# Altium PCB SAM_E54_Xplained_Pro.PcbDoc (part 4 of 5)
Units mm, origin at the board's own origin, x right, y up, seen from the top; angles counter-clockwise.
Board outline 80 x 100 mm, 4 copper layers (Top Layer LF-signals, GND, POWER, Bottom Layer LF-signals), stack 1.598 mm thick; 301 components, 262 nets, 1303 pads, 552 vias.
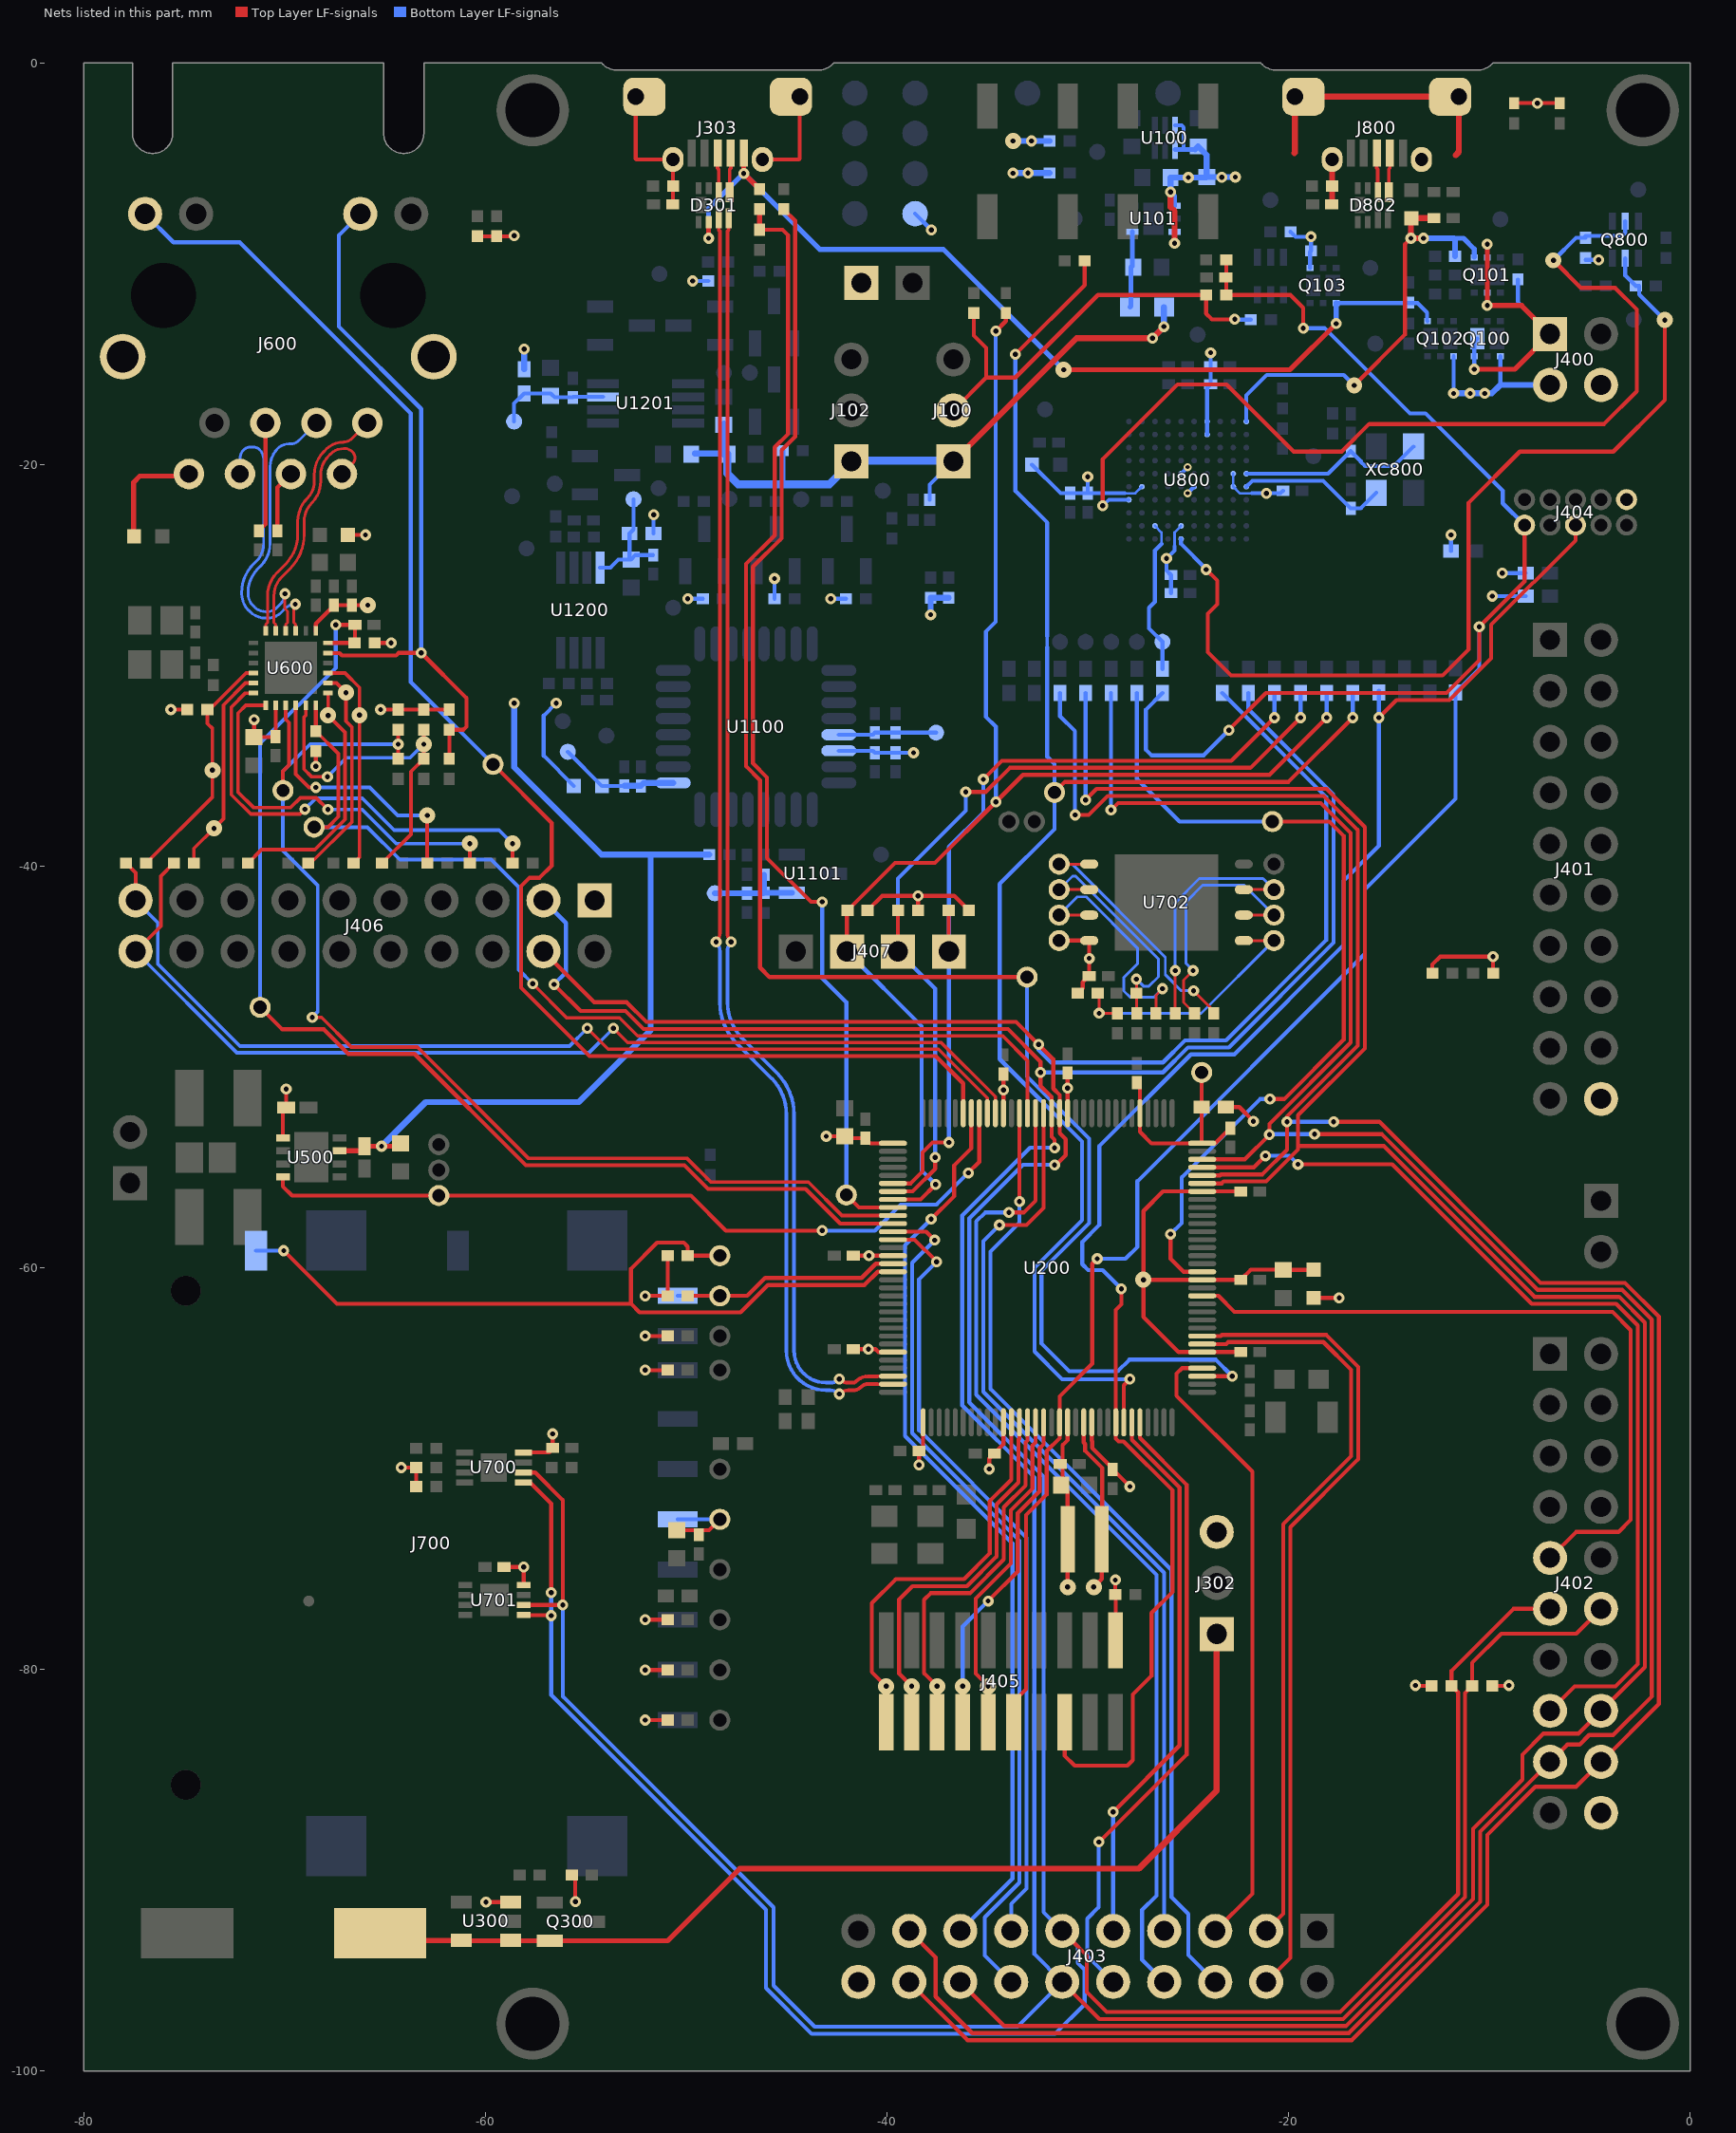
[diagram p6: the nets of this part, all layers, seen from the top]

## Via types
v1: diameter 0.55, hole 0.25, Top Layer LF-signals to Bottom Layer LF-signals, 333 vias
v2: diameter 0.55, hole 0.25, Top Layer LF-signals to Bottom Layer LF-signals, tented both sides, 116 vias
v3: diameter 0.55/0.8 (per signal layer), hole 0.25, Top Layer LF-signals to Bottom Layer LF-signals, tented top, 65 vias
v4: diameter 0.55, hole 0.25, Top Layer LF-signals to Bottom Layer LF-signals, tented top, 13 vias
v5: diameter 0.4, hole 0.2, Top Layer LF-signals to Bottom Layer LF-signals, tented top, 10 vias
v6: diameter 0.4, hole 0.2, Top Layer LF-signals to Bottom Layer LF-signals, tented both sides, 8 vias
v7: diameter 0.7, hole 0.35, Top Layer LF-signals to Bottom Layer LF-signals, 4 vias
v8: diameter 0.4, hole 0.2, Top Layer LF-signals to Bottom Layer LF-signals, 3 vias

## Nets (pads, with @x,y where several pads share a name; then routed paths per layer and width w, separated by ;. In a path a pad name is that pad's centre, name@x,y a point inside that pad or via, vN(x,y) a via of type N, cw(c..) or ccw(c..) an arc to the next point about the centre after c; other vN are vias at no path point) (continued)
PB30_SWO: J404.6 J405.6 R827.1 U200.121 | length 84.7
  Top Layer LF-signals w0.2: J405.6@-31.15,-82.635 -31.15,-84.3 -30.65,-84.8 -28.025,-84.8 -27.75,-84.525 -27.75,-81.25 -26.825,-80.325 -26.825,-77.2 -25.775,-76.15 -25.775,-71.088 -28.213,-68.65 -28.463,-68.65 -28.6,-68.513 U200.121@-28.6,-67.7 -28.6,-62.099 -28.326,-61.825 v1(-28.326,-61.053) ; v1(-15.5,-32.6) -14.625,-31.725 -11.985,-31.725 -9.901,-29.641 -9.901,-27.976 -5.7,-23.775 J404.6@-5.7,-23.01
  Bottom Layer LF-signals w0.2: v1(-28.326,-61.053) -29.257,-60.122 -29.977,-60.122 -30.275,-59.824 -30.275,-58.716 -29.425,-57.866 -29.425,-53.94 -24.86,-49.375 -22.695,-49.375 -17.25,-43.93 -17.25,-40.729 -15.5,-38.979 v1(-15.5,-32.6) R827.1@-15.5,-31.35 R827.1@-15.5,-31.25
PB31_USER_BTN_DGI3: pad.0@-31.655,-36.325 R300.2 R826.1 U200.122 | length 85.6
  Top Layer LF-signals w0.2: v1(-33.6,-14.5) -30.15,-11.05 R300.2@-30.15,-9.85 ; pad.0@-31.655,-36.325 -31.13,-35.8 -20,-35.8 v1(-16.8,-32.6) ; U200.122@-28.2,-67.7 -28.2,-65.85 v1(-27.9,-65.55)
  Bottom Layer LF-signals w0.175: -32.017,-29.106 -32.017,-28.543
  Bottom Layer LF-signals w0.2: v1(-33.6,-14.5) -33.6,-21.31 -32.017,-22.893 -32.017,-28.543 ; -32.017,-29.106 -32.017,-34.55 -31.655,-34.912 pad.0@-31.655,-36.325 -31.655,-38.155 -34.382,-40.882 -34.382,-49.613 -30.285,-53.71 -30.285,-57.629 -32.65,-59.993 -32.65,-64.175 -31.275,-65.55 v1(-27.9,-65.55) ; v1(-16.8,-32.6) R826.1@-16.8,-31.375
PC00_USB_VBUS: pad.0@-33.025,-45.525 R303.1 R305.2 U200.3 | length 86.4
  Top Layer LF-signals w0.2: R305.2@-46.35,-8.3 -45.2,-8.3 -44.925,-8.575 -44.925,-18.465 -45.593,-19.133 -45.593,-23.515 -47.025,-24.947 -47.025,-35.02 -46.325,-35.72 -46.325,-45.05 -45.85,-45.525 pad.0@-33.025,-45.525 ; U200.3@-24.3,-65.4 v1(-22.8,-65.4)
  Top Layer LF-signals w0.25: R305.2@-46.35,-8.3 R303.1@-46.35,-7.275
  Bottom Layer LF-signals w0.2: pad.0@-33.025,-45.525 -33.025,-50.475 -29.935,-53.565 -29.935,-57.774 -32.3,-60.138 -32.3,-63.775 -30.922,-65.153 -28.503,-65.153 -27.928,-64.578 -23.622,-64.578 v1(-22.8,-65.4)
PC01_GPIO: J403.5@-23.65,-93.03 U200.4 | length 31.5
  Top Layer LF-signals w0.2: U200.4@-24.3,-65 -25.3,-65 -25.575,-65.275 -25.575,-66.375 -21.8,-70.15 -21.8,-91.18 J403.5@-23.65,-93.03
PC02_ADC1_AIN4: J403.3@-21.11,-93.03 U200.7 | length 37.7
  Top Layer LF-signals w0.2: U200.7@-24.3,-63.8 -23.1,-63.8 -23,-63.7 -18.26,-63.7 -16.875,-65.085 -16.875,-69.39 -20.257,-72.772 -20.257,-92.177 J403.3@-21.11,-93.03
PC03_ADC1_AIN5: J403.4@-21.11,-95.57 U200.8 | length 41
  Top Layer LF-signals w0.2: U200.8@-24.3,-63.4 -23.372,-63.4 -23.322,-63.35 -18.115,-63.35 -16.525,-64.94 -16.525,-69.535 -19.907,-72.917 -19.907,-94.367 J403.4@-21.11,-95.57
PC04_S6P0_SPI_MOSI: J402.16@-4.43,-82.07 J403.16@-36.35,-95.57 R816.1 U200.27 | length 126.4
  Top Layer LF-signals w0.2: J403.16@-36.35,-95.57 -34.15,-97.77 -17.135,-97.77 -10.8,-91.435 -10.8,-87.945 -8.35,-85.495 -8.35,-84.25 -7.3,-83.2 -5.56,-83.2 J402.16@-4.43,-82.07 -2.25,-79.89 -2.25,-62.73 -3.53,-61.45 -7.74,-61.45 -15.251,-53.939 -19.525,-53.939 ; v1(-30.111,-36.7) -29.561,-36.15 -18.101,-36.15 -16.2,-38.051 -16.2,-49.075 -19.525,-52.4 -19.525,-53.939 ; U200.27@-24.3,-55.8 -23.325,-55.8 -23.225,-55.7 -21.117,-55.7 -19.525,-54.108 -19.525,-53.939
  Bottom Layer LF-signals w0.2: v1(-30.111,-36.7) -30.111,-31.381 R816.1@-30.105,-31.375
PC05_S6P1_SPI_SCK: J402.18@-4.43,-84.61 J403.18@-38.89,-95.57 R817.1 U200.28 | length 133.1
  Top Layer LF-signals w0.2: J403.18@-38.89,-95.57 -35.99,-98.47 -16.845,-98.47 -10.1,-91.725 -10.1,-88.25 -7.7,-85.85 -5.67,-85.85 J402.18@-4.43,-84.61 -1.55,-81.73 -1.55,-62.44 -3.24,-60.75 -7.45,-60.75 -15.475,-52.725 v1(-17.75,-52.725) ; v1(-30.625,-37.45) -29.95,-37.45 -29,-36.5 -18.246,-36.5 -16.55,-38.196 -16.55,-48.93 -20.075,-52.455 v1(-20.075,-52.725) -20.075,-54.125 -21.3,-55.35 -23.37,-55.35 -23.42,-55.4 U200.28@-24.3,-55.4
  Bottom Layer LF-signals w0.2: v1(-30.625,-37.45) -30.636,-37.439 -30.636,-33.27 -31.381,-32.525 R817.1@-31.38,-31.375 ; v1(-20.075,-52.725) v1(-17.75,-52.725) ; R817.1@-31.38,-31.375 R817.1@-31.38,-31.375
PC06_S6P2_SPI_SS: J402.15@-6.97,-82.07 U200.29 | length 47.8
  Top Layer LF-signals w0.2: U200.29@-24.3,-55 -21.725,-55 v1(-21.15,-54.425) v1@-21.025,-54.3 ; v1(-19.525,-54.85) -14.835,-54.85 -7.885,-61.8 -3.675,-61.8 -2.6,-62.875 -2.6,-79.74 -3.71,-80.85 -5.75,-80.85 J402.15@-6.97,-82.07
  Bottom Layer LF-signals w0.2: v1(-21.15,-54.425) -19.95,-54.425 v1(-19.525,-54.85)
PC07_S6P3_SPI_MISO: J402.17@-6.97,-84.61 J403.17@-38.89,-93.03 R815.2 U200.30 | length 129.9
  Top Layer LF-signals w0.2: J403.17@-38.89,-93.03 -37.575,-94.345 -37.575,-96.3 -35.755,-98.12 -16.99,-98.12 -10.45,-91.58 -10.45,-88.09 J402.17@-6.97,-84.61 -6.11,-83.75 -5.5,-83.75 -5.025,-83.275 -3.825,-83.275 -1.9,-81.35 -1.9,-62.585 -3.385,-61.1 -7.595,-61.1 -15.345,-53.35 v1(-18.7,-53.35) ; v1(-28.841,-37.2) -28.491,-36.85 -18.391,-36.85 -16.9,-38.341 -16.9,-48.785 -20.95,-52.835 v1(-20.95,-53.375) ; U200.30@-24.3,-54.6 -22.171,-54.6 v1@-20.948,-53.377
  Bottom Layer LF-signals w0.2: v1(-28.841,-37.2) R815.2@-28.841,-31.375 ; v1@-20.925,-53.35 v1(-18.7,-53.35)
PC10_GPIO: J403.6@-23.65,-95.57 U200.52 | length 48.8
  Top Layer LF-signals w0.2: v1(-33.4,-56.7) U200.52@-33.4,-52.3
  Bottom Layer LF-signals w0.2: v1(-33.4,-56.7) -33.4,-57.75 -34.85,-59.2 -34.85,-66.035 -25.825,-75.06 -25.825,-91.35 -24.988,-92.187 -24.988,-94.232 J403.6@-23.65,-95.57 J403.6@-23.65,-95.9
PC11_ETH_GMDC: J406.20 R629.2 U200.55 | length 52.8
  Top Layer LF-signals w0.18: J406.20@-77.43,-44.245 -76.175,-42.99 -76.175,-40.5 R629.2@-75.525,-39.85 ; v1(-53.625,-48.075) -52.92,-48.78 -37.298,-48.78 -34.6,-51.478 U200.55@-34.6,-52.3
  Bottom Layer LF-signals w0.18: J406.20@-77.43,-44.245 -72.38,-49.295 -54.845,-49.295 v1(-53.625,-48.075)
PC12_ETH_GMDIO: J406.19 R628.2 U200.56 | length 51.3
  Top Layer LF-signals w0.18: R628.2@-77.9,-39.85 -77.425,-40.325 J406.19@-77.425,-41.71 ; v1(-54.925,-48.075) -53.89,-49.11 -37.435,-49.11 -35,-51.545 U200.56@-35,-52.3
  Bottom Layer LF-signals w0.18: J406.19@-77.43,-41.705 -76.325,-42.81 -76.325,-44.875 -72.235,-48.965 -55.815,-48.965 v1(-54.925,-48.075)
PC13_CAN_STBY: pad.0@-62.325,-56.405 U200.57 U500.8 | length 39.9
  Top Layer LF-signals w0.2: U500.8@-70.087,-55.475 -70.087,-55.95 -69.632,-56.405 pad.0@-62.325,-56.405 -49.77,-56.405 -48.025,-58.15 v1(-43.225,-58.15) ; v1(-35.95,-55.275) -35.4,-54.725 U200.57@-35.4,-52.3
  Bottom Layer LF-signals w0.2: v1(-43.225,-58.15) -40.6,-58.15 -39.309,-56.859 -37.534,-56.859 v1(-35.95,-55.275)
PC14_EXT3_SPI_SS: J403.15@-36.35,-93.03 U200.58 | length 45.4
  Top Layer LF-signals w0.2: v1(-37.8,-57.575) -36.65,-56.425 -36.65,-54.9 -35.8,-54.05 U200.58@-35.8,-52.3
  Bottom Layer LF-signals w0.2: v1(-37.8,-57.575) -39.1,-58.875 -39.1,-68.383 -33.75,-73.733 -33.75,-90.43 J403.15@-36.35,-93.03
PC15_ETH_LED: J600.12@-76.954,-7.511 pad.0@-59.625,-34.925 U200.59 | length 75.3
  Top Layer LF-signals w0.2: pad.0@-59.625,-34.925 -56.7,-37.85 -56.7,-39.975 -57.3,-40.575 -57.8,-40.575 -58.22,-40.995 -58.22,-46.055 -54.825,-49.45 -37.576,-49.45 -36.207,-50.819 -36.207,-52.293 U200.59@-36.2,-52.3
  Bottom Layer LF-signals w0.2: J600.12@-76.954,-7.511 -75.54,-8.925 -72.25,-8.925 -63.725,-17.45 -63.725,-30.825 pad.0@-59.625,-34.925
PC16_PDEC0_DGI0: J407.1 R202.1 R810.1 U200.70 | length 42
  Top Layer LF-signals w0.2: U200.70@-39.7,-55.8 -38.82,-55.8 -38.225,-55.205 -38.225,-54.25 -37.736,-53.761 v1@-36.911,-53.761 ; R202.1@-36.925,-42.2 -36.925,-44.235 J407.1@-36.915,-44.245 ; v1(-35.2,-35.675) -34.275,-34.75 -22.85,-34.75 v1(-20.7,-32.6)
  Bottom Layer LF-signals w0.2: v1(-36.915,-53.757) J407.1@-36.915,-44.245 -36.915,-39.04 -35.205,-37.33 v1@-35.205,-35.675 ; v1(-20.7,-32.6) R810.1@-20.7,-31.375
PC17_PDEC1_DGI1: J407.2 R203.2 R811.1 U200.71 | length 45
  Top Layer LF-signals w0.2: U200.71@-39.7,-56.2 -38.725,-56.2 -37.6,-55.075 v1(-37.6,-54.5) ; J407.2@-39.455,-44.245 -39.45,-44.24 R203.2@-39.45,-42.2 ; v1(-36.075,-36.3) -35.083,-36.3 -33.883,-35.1 -21.9,-35.1 v1(-19.4,-32.6)
  Bottom Layer LF-signals w0.2: v1(-37.6,-54.5) -37.6,-46.1 J407.2@-39.455,-44.245 -39.455,-40.62 -36.075,-37.24 v1(-36.075,-36.3) ; v1(-19.4,-32.6) R811.1@-19.4,-31.375
PC18_PDEC2_DGI2_LED: D300.1 J407.3 R209.2 R825.1 U200.72 | length 71.9
  Top Layer LF-signals w0.2: J407.3@-41.995,-44.245 -41.995,-42.23 R209.2@-41.965,-42.2 -39.596,-39.831 -37.606,-39.831 v1(-34.575,-36.8) -33.225,-35.45 -20.95,-35.45 v1(-18.1,-32.6) ; U200.72@-39.7,-56.6 -38.325,-56.6 v1(-37.575,-55.85) ; v1(-34.575,-13.35) -34.075,-12.85 D300.1@-34.075,-12.45
  Bottom Layer LF-signals w0.2: J407.3@-41.995,-44.245 -38.275,-47.965 -38.275,-55.15 v1(-37.575,-55.85) ; v1@-34.575,-36.775 -34.575,-33.05 -35.075,-32.55 -35.075,-28.325 -34.58,-27.83 -34.58,-13.355 v1(-34.575,-13.35) ; v1(-18.1,-32.6) R825.1@-18.1,-31.375
PC19_USB_ID: pad.0@-42.025,-56.375 R307.2 U200.73 | length 55
  Top Layer LF-signals w0.2: R307.2@-45.15,-7.275 -44.575,-7.85 -44.575,-18.61 -45.243,-19.278 -45.243,-23.66 -46.675,-25.091 -46.675,-34.875 -45.975,-35.575 -45.975,-39.59 -43.788,-41.777 v1(-43.225,-41.777) ; pad.0@-42.025,-56.375 -41.4,-57 U200.73@-39.7,-57
  Bottom Layer LF-signals w0.2: v1(-43.225,-41.777) -43.225,-45.576 -42.025,-46.776 pad.0@-42.025,-56.375
PC20_ETH_GRXDV: pad.0@-70.087,-36.225 R609.1 R616.2 U200.74 U600.15 | length 58.3
  Top Layer LF-signals w0.18: pad.0@-70.087,-36.225 -70.087,-35.278 -69.78,-34.971 -69.78,-32.85 -69.95,-32.68 U600.15@-69.95,-31.99 ; v1(-68.625,-47.527) -68.169,-47.527 -66.686,-49.01 -63.391,-49.01 -57.846,-54.555 -49.951,-54.555 -48.771,-55.735 -43.915,-55.735 -42.25,-57.4 U200.74@-39.7,-57.4 ; R616.2@-64.35,-34.65 v1(-64.35,-33.924) R609.1@-64.35,-33.2
  Bottom Layer LF-signals w0.18: v1(-68.625,-47.527) -68.36,-47.262 -68.36,-40.94 -70.087,-39.213 pad.0@-70.087,-36.225 -70.087,-35.278 -68.733,-33.924 v1(-64.35,-33.924)
PC21_ETH_RESET: C613.1 pad.0@-71.225,-47.025 R602.1 U200.75 U600.24 | length 59.8
  Top Layer LF-signals w0.2: pad.0@-71.225,-47.025 -70.125,-48.125 -68.052,-48.125 -66.827,-49.35 -63.532,-49.35 -57.987,-54.895 -50.092,-54.895 -48.912,-56.075 -44.056,-56.075 -42.331,-57.8 U200.75@-39.7,-57.8 ; U600.24@-67.84,-28.88 -66.53,-28.88 R602.1@-66.525,-28.875 -66.5,-28.85 C613.1@-66.5,-27.975 v1(-67.454,-27.975)
  Bottom Layer LF-signals w0.2: pad.0@-71.225,-47.025 -71.225,-33.885 -67.454,-30.113 v1(-67.454,-27.975)
PC22_S1P0_UART_TX: J403.14@-33.81,-95.57 U200.76 | length 43.1
  Top Layer LF-signals w0.2: U200.76@-39.7,-58.2 -38.05,-58.2 v1(-37.625,-58.625)
  Bottom Layer LF-signals w0.2: v1(-37.625,-58.625) -38.75,-59.75 -38.75,-68.238 -33.4,-73.588 -33.4,-90.625 -35.125,-92.35 -35.125,-94.255 J403.14@-33.81,-95.57
PC23_S1P1_UART_RX: J403.13@-33.81,-93.03 U200.77 | length 38.9
  Top Layer LF-signals w0.2: U200.77@-39.7,-58.6 -38.625,-58.6 v1(-37.525,-59.7)
  Bottom Layer LF-signals w0.2: v1(-37.525,-59.7) -38.4,-60.575 -38.4,-68.093 -33.05,-73.443 -33.05,-90.925 -33.81,-91.685 J403.13@-33.81,-93.03
PC24_TRACE_DATA3: J405.20 U200.108 | length 20.1
  Top Layer LF-signals w0.2: J405.20@-40.04,-82.635 v3(-40.04,-80.845) -40.752,-80.133 -40.752,-76.704 -39.557,-75.509 -36.159,-75.509 -34.886,-74.236 -34.886,-71.639 -33.8,-70.553 U200.108@-33.8,-67.7
PC25_TRACE_DATA2: J405.18 U200.109 | length 19.3
  Top Layer LF-signals w0.2: J405.18@-38.77,-82.635 v3(-38.77,-80.845) -39.4,-80.215 -39.4,-76.526 -38.733,-75.859 -36.014,-75.859 -34.536,-74.381 -34.536,-71.784 -33.45,-70.698 -33.45,-68.558 -33.4,-68.508 U200.109@-33.4,-67.7
PC26_TRACE_DATA1: J405.16 U200.110 | length 18.5
  Top Layer LF-signals w0.2: J405.16@-37.5,-82.635 v3(-37.5,-80.845) -38.15,-80.195 -38.15,-76.536 -37.823,-76.209 -35.869,-76.209 -34.186,-74.526 -34.186,-71.929 -33.1,-70.843 -33.1,-68.703 -33,-68.603 U200.110@-33,-67.7
PC27_TRACE_CLK: J405.12 U200.111 | length 16.4
  Top Layer LF-signals w0.2: J405.12@-34.96,-82.635 v3(-34.96,-80.845) -34.96,-80.83 -35.58,-80.21 -35.58,-76.478 -33.836,-74.734 -33.836,-72.074 -32.75,-70.988 -32.75,-68.848 -32.6,-68.698 U200.111@-32.6,-67.7
PC28_TRACE_DATA0: J405.14 U200.112 | length 16.6
  Top Layer LF-signals w0.2: J405.14@-36.23,-82.635 v3(-36.23,-80.845) ; v1(-34.96,-76.6) -33.486,-75.126 -33.486,-72.219 -32.4,-71.133 -32.4,-68.993 -32.2,-68.793 U200.112@-32.2,-67.7
  Bottom Layer LF-signals w0.2: v3(-36.23,-80.845) -36.23,-77.87 v1(-34.96,-76.6)
PC30_GPIO_EXTINT14: J403.9@-28.73,-93.03 U200.123 | length 27.7
  Top Layer LF-signals w0.2: v1(-28.73,-87.1) -25.425,-83.795 -25.425,-70.943 -27.8,-68.568 U200.123@-27.8,-67.7
  Bottom Layer LF-signals w0.2: J403.9@-28.73,-93.03 v1(-28.73,-87.1)
PC31_GPIO_SPI_SS_B: J403.10@-28.73,-95.57 U200.124 | length 31.4
  Top Layer LF-signals w0.2: v1(-29.45,-88.6) -29.425,-88.6 -25.075,-84.25 -25.075,-70.798 -27.4,-68.473 U200.124@-27.4,-67.7
  Bottom Layer LF-signals w0.2: v1(-29.45,-88.6) -29.45,-91.85 -30.025,-92.425 -30.025,-94.275 J403.10@-28.73,-95.57
PD00_GPIO_EXTINT0: J402.9@-6.97,-74.45 U200.13 | length 36.3
  Top Layer LF-signals w0.2: U200.13@-24.3,-61.4 -23.49,-61.4 -22.69,-62.2 -3.855,-62.2 -2.95,-63.105 -2.95,-72.55 -3.56,-73.16 -5.68,-73.16 J402.9@-6.97,-74.45
PD01_EDBG_SPI_SS: pad.0@-20.8,-37.777 R818.1 U200.16 | length 42.9
  Top Layer LF-signals w0.2: v1(-25.876,-58.325) -25.876,-59.549 -25.225,-60.2 U200.16@-24.3,-60.2 ; v1(-20.925,-51.6) -20.21,-51.6 -17.25,-48.64 -17.25,-38.486 -17.959,-37.777 pad.0@-20.8,-37.777
  Bottom Layer LF-signals w0.2: R818.1@-27.555,-31.375 -27.555,-35.645 -25.423,-37.777 pad.0@-20.8,-37.777 ; v1(-25.876,-58.325) -25.325,-57.773 -25.325,-55.5 -21.425,-51.6 v1(-20.925,-51.6)
PD08_S7P0_I2C_SDA: J402.11@-6.97,-76.99 J403.11@-31.27,-93.03 J406.4 R223.1 R813.2 U200.47 U700.5 U701.5 | length 203.6
  Top Layer LF-signals w0.2: U701.5@-58.1,-77.3 v1@-56.75,-77.3 ; U700.5@-58.1,-70.7 -57.775,-70.7 -56.725,-71.75 v1(-56.725,-76.175) ; J406.4@-57.11,-44.245 -54.58,-46.775 -52.97,-46.775 -51.985,-47.76 -33.569,-47.76 v1(-32.452,-48.877) -31.715,-49.614 -31.715,-51.077 -31.4,-51.392 U200.47@-31.4,-52.3 -31.4,-53.3 -31.1,-53.6 -31.1,-54.389 -31.616,-54.905 -31.646,-54.875 v1(-31.65,-54.875) ; J403.11@-31.27,-93.03 -30.05,-94.25 -30.05,-96.075 -29.055,-97.07 -17.425,-97.07 -11.55,-91.195 -11.55,-81.15 R223.1@-11.875,-80.825 -11.875,-80.075 -8.79,-76.99 J402.11@-6.97,-76.99
  Bottom Layer LF-signals w0.2: v1(-56.725,-76.175) v1(-56.725,-77.325) -56.725,-81.275 -46.025,-91.975 -46.025,-95.875 -43.75,-98.15 -31.625,-98.15 -30.15,-96.675 -30.15,-94.975 -30.5,-94.625 -30.5,-93.8 J403.11@-31.27,-93.03 -31.27,-93.026 -32.2,-92.096 -32.2,-70.405 -35.9,-66.705 -35.9,-57.545 -33.23,-54.875 v1(-31.65,-54.875) ; v1(-32.452,-48.877) -32.452,-49.145 -31.821,-49.775 -26.25,-49.775 -25.15,-48.675 -23.11,-48.675 -18.125,-43.69 -18.125,-36.55 R813.2@-23.3,-31.375
PD09_S7P1_I2C_SCL: J402.12@-4.43,-76.99 J403.12@-31.27,-95.57 J406.3 R224.1 R814.2 U200.48 U700.6 U701.6 | length 204.6
  Top Layer LF-signals w0.2: U701.6@-58.1,-76.8 v1(-56.15,-76.8) -56.15,-71.575 -57.525,-70.2 U700.6@-58.1,-70.2 ; v1(-56.587,-45.888) -55.26,-47.215 -53.025,-47.215 -52.13,-48.11 -33.974,-48.11 -32.35,-49.734 v1(-32.35,-50.271) -32.35,-50.937 -31.8,-51.487 U200.48@-31.8,-52.3 -31.8,-53.475 -31.65,-53.625 v1(-31.65,-54.025) ; J403.12@-31.27,-95.57 -29.42,-97.42 -17.28,-97.42 -11.2,-91.34 -11.2,-81.175 R224.1@-10.85,-80.825 -10.85,-79.675 -9.4,-78.225 -5.665,-78.225 J402.12@-4.43,-76.99
  Bottom Layer LF-signals w0.2: J406.3@-57.11,-41.705 -55.99,-42.825 -55.99,-45.29 v1(-56.587,-45.888) ; v1(-56.15,-76.8) -56.15,-81.355 -45.65,-91.855 -45.65,-95.755 -43.605,-97.8 -33.5,-97.8 J403.12@-31.27,-95.57 -32.655,-94.185 -32.655,-70.445 -36.25,-66.85 -36.25,-57.4 -32.875,-54.025 v1(-31.65,-54.025) ; v1@-32.1,-50.271 -26.251,-50.271 -25.005,-49.025 -22.965,-49.025 -17.75,-43.81 -17.75,-36.465 -17.775,-36.44 -17.775,-36.405 -22,-32.18 R814.2@-22,-31.375
PD10_TCC0_WO3: J403.7@-26.19,-93.03 U200.49 | length 46.5
  Top Layer LF-signals w0.2: v1(-34.4,-57.875) -33.05,-57.875 -32.2,-57.025 U200.49@-32.2,-52.3
  Bottom Layer LF-signals w0.2: v1(-34.4,-57.875) -35.2,-58.675 -35.2,-66.18 -26.19,-75.19 J403.7@-26.19,-93.03
PD11_TCC0_WO4: J403.8@-26.19,-95.57 U200.50 | length 50.1
  Top Layer LF-signals w0.2: v1(-33.925,-57.25) -33.19,-57.25 -32.6,-56.66 U200.50@-32.6,-52.3
  Bottom Layer LF-signals w0.2: v1(-33.925,-57.25) -35.11,-57.25 -35.55,-57.69 -35.55,-66.325 -26.575,-75.3 -26.575,-91.269 -27.29,-91.984 -27.29,-94.47 J403.8@-26.19,-95.57
PD12_ETH_IRQ: pad.0@-68.538,-38.055 R615.1 U200.51 U600.18 | length 52.8
  Top Layer LF-signals w0.18: pad.0@-68.538,-38.055 -67.846,-38.055 -67.325,-37.533 -67.325,-34.396 R615.1@-68.45,-33.271 ; v1(-57.65,-45.855) -55.95,-47.555 -53.32,-47.555 -52.425,-48.45 -34.236,-48.45 -33,-49.686 U200.51@-33,-52.3
  Top Layer LF-signals w0.2: R615.1@-68.45,-33.271 U600.18@-68.45,-31.99
  Bottom Layer LF-signals w0.18: pad.0@-68.538,-38.055 -65.888,-38.055 -64.268,-39.675 -59.72,-39.675 -58.351,-41.045 -58.351,-45.154 v1(-57.65,-45.855)
PD20_SDHC_CD: J700.10 pad.0@-48.325,-61.4 R710.1 U200.80 | length 13
  Top Layer LF-signals w0.2: R710.1@-49.925,-61.4 pad.0@-48.325,-61.4 -46.96,-61.4 -46.069,-60.509 -41.266,-60.509 -40.558,-59.8 U200.80@-39.7,-59.8
  Bottom Layer LF-signals w0.2: J700.10@-50.425,-61.4 pad.0@-48.325,-61.4
PD21_SDHC_WP: J700.12 pad.0@-48.325,-59.4 R711.1 U200.81 | length 41.1
  Top Layer LF-signals w0.2: v1(-70.05,-59.15) -67.4,-61.8 -52.75,-61.8 ; pad.0@-48.325,-59.4 R711.1@-49.925,-59.4 -49.925,-58.95 -50.124,-58.751 -51.452,-58.751 -52.75,-60.048 -52.75,-61.8 ; U200.81@-39.7,-60.2 -40.463,-60.2 -41.121,-60.859 -45.924,-60.859 -47.29,-62.225 -52.325,-62.225 -52.75,-61.8
  Bottom Layer LF-signals w0.2: J700.12@-71.425,-59.15 v1(-70.05,-59.15)
PHY_LED0: J600.10@-66.236,-7.511 R605.1 R619.2 U600.23 | length 35.7
  Top Layer LF-signals w0.2: U600.23@-67.84,-29.38 -67.27,-29.38 -67.15,-29.5 -64.45,-29.5 -64.325,-29.375 v1(-63.2,-29.375) -60.95,-31.625 -60.95,-33.05 -61.1,-33.2 R605.1@-61.8,-33.2 R619.2@-61.8,-34.65